# Allegro board SDHCalFEB.brd (continued)
## Routing (per net, layer and track width the routed paths; a pad name or vN(x,y) marks a point on that pad's centre or on a via; arc(x,y) is an arc through that point) (continued)
ESD_SIGNAL39_ASIC_B5: length 3.1
  TOP w0.127: U364.3 248.56,209.82 248.56,209.83 R456.2 C474.1
ESD_SIGNAL39_ASIC_B6: length 3.1
  TOP w0.127: U429.3 168.65,208.65 168.66,208.65 C561.1 R539.2
ESD_SIGNAL39_ASIC_B7: length 3.1
  TOP w0.127: R622.2 C648.1 90.72,214.67 90.73,214.68 U494.3
ESD_SIGNAL39_ASIC_C1: length 3.1
  TOP w0.127: U559.3 327.16,130.08 C735.1 327.15,128.61 R705.2
ESD_SIGNAL39_ASIC_C2: length 3.1
  TOP w0.127: R789.2 246.96,130.84 C822.1 246.96,133.86 U624.3
ESD_SIGNAL39_ASIC_C3: length 3.1
  TOP w0.127: R872.2 167.03,130.9 C909.1 167.03,132.38 U689.3
ESD_SIGNAL39_ASIC_C4: length 3.1
  TOP w0.127: R955.2 88.23,130.25 C996.1 89.71,128.71 U754.3
ESD_SIGNAL40_ASIC_A1: length 3.4
  TOP w0.127: C40.1 275.86,292.42 U40.3 275.86,291.81 R40.2
ESD_SIGNAL40_ASIC_A2: length 3.7
  TOP w0.127: 195.81,291.78 U105.3 ; 195.81,291.78 195.81,292.49 C127.1 ; 195.81,291.78 195.81,291.29 R124.2
ESD_SIGNAL40_ASIC_A3: length 3.5
  TOP w0.127: C214.1 116.03,293.34 115.16,292.48 U170.3 115.16,291.49 116.05,290.6 R207.2
ESD_SIGNAL40_ASIC_A4: length 3
  TOP w0.127: U235.3 25.07,280.42 C301.1 23.53,278.94 R290.2
ESD_SIGNAL40_ASIC_B1: length 3.4
  TOP w0.127: C388.1 276.25,212.95 U300.3 276.25,211.95 R373.2
ESD_SIGNAL40_ASIC_B5: length 3.3
  TOP w0.127: C475.1 196.72,213.42 195.91,212.61 U365.3 195.91,211.67 196.71,210.87 R457.2
ESD_SIGNAL40_ASIC_B6: length 3.3
  TOP w0.127: C562.1 117.07,213.62 116.23,212.78 U430.3 116.23,211.9 117.06,211.07 R540.2
ESD_SIGNAL40_ASIC_B7: length 3
  TOP w0.127: U495.3 24.11,197.66 C649.1 24.11,196.18 R623.2
ESD_SIGNAL40_ASIC_C1: length 3.2
  TOP w0.127: R706.2 276.38,131.73 U560.3 276.38,132.46 C736.1
ESD_SIGNAL40_ASIC_C2: length 3.2
  TOP w0.127: R790.2 196.01,131.43 U625.3 196.01,132.33 C823.1
ESD_SIGNAL40_ASIC_C3: length 3.3
  TOP w0.127: C910.1 116,132.69 U690.3 116,131.71 R873.2
ESD_SIGNAL40_ASIC_C4: length 3.1
  TOP w0.127: R956.2 24.48,118.28 C997.1 26.03,118.29 U755.3
ESD_SIGNAL40_ASIC_D1: length 3.2
  TOP w0.127: R1039.2 276.5,52.01 U820.3 276.5,52.9 C1084.1
ESD_SIGNAL40_ASIC_D2: length 3.2
  TOP w0.127: R1123.2 195.91,52.32 U885.3 195.91,53.18 C1171.1
ESD_SIGNAL40_ASIC_D3: length 3.2
  TOP w0.127: R1206.2 116.59,51.65 U950.3 116.59,52.55 C1258.1
ESD_SIGNAL41_ASIC_A1: length 3.1
  TOP w0.127: C41.1 262.05,285.74 262.04,285.75 R41.2 260.57,285.75 260.57,285.76 U41.3
ESD_SIGNAL41_ASIC_A2: length 3
  TOP w0.127: U106.3 179.64,285.83 R125.2 182.64,285.83 C128.1
ESD_SIGNAL41_ASIC_A3: length 3.3
  TOP w0.127: C215.1 104.13,285.2 104.11,285.19 R208.2 102.82,285.19 102.23,285.78 U171.3
ESD_SIGNAL41_ASIC_B1: length 3.1
  TOP w0.127: R374.2 C389.1 258.12,205.23 U301.3
ESD_SIGNAL41_ASIC_B5: length 3.1
  TOP w0.127: U366.3 180.62,206.17 R458.2 182.22,206.17 C476.1
ESD_SIGNAL41_ASIC_B6: length 3.1
  TOP w0.127: C563.1 103.67,206.18 R541.2 100.6,206.18 U431.3
ESD_SIGNAL41_ASIC_C1: length 3.1
  TOP w0.127: C737.1 263.69,126.17 R707.2 260.66,126.17 U561.3
ESD_SIGNAL41_ASIC_C2: length 3.1
  TOP w0.127: C824.1 182.21,126.16 R791.2 180.65,126.17 U626.3
ESD_SIGNAL41_ASIC_C3: length 3
  TOP w0.127: U691.3 100.69,126.15 R874.2 102.22,126.13 C911.1
ESD_SIGNAL41_ASIC_D1: length 3
  TOP w0.127: C1085.1 262.2,46.16 R1040.2 260.66,46.15 U821.3
ESD_SIGNAL41_ASIC_D2: length 3.1
  TOP w0.127: U886.3 182.21,46.16 R1124.2 183.71,46.15 C1172.1
ESD_SIGNAL41_ASIC_D3: length 3.1
  TOP w0.127: U951.3 102.2,46.16 R1207.2 103.7,46.15 C1259.1
ESD_SIGNAL42_ASIC_A1: length 3.1
  TOP w0.127: C42.1 263.6,281.48 263.61,281.47 R42.2 263.01,280.9 263,280.91 U42.3
ESD_SIGNAL42_ASIC_A2: length 3.2
  TOP w0.127: C129.1 183.58,280.86 183.59,280.85 R126.2 182.99,279.93 182.98,279.95 U107.3
ESD_SIGNAL42_ASIC_A3: length 3.1
  TOP w0.127: C216.1 100.24,278.52 R209.2 99.69,278.51 99.69,278.52 U172.3
ESD_SIGNAL42_ASIC_A4: length 3
  TOP w0.127: U237.3 29.56,277.4 R292.2 29.57,278.88 C303.1
ESD_SIGNAL42_ASIC_B1: length 3.1
  TOP w0.127: U302.3 264.16,200.71 R375.2 265.75,202.2 C390.1
ESD_SIGNAL42_ASIC_B5: length 3.1
  TOP w0.127: U367.3 181.69,199.32 C477.1 181.7,199.3 R459.2
ESD_SIGNAL42_ASIC_B6: length 3.1
  TOP w0.127: U432.3 101.52,199.32 C564.1 101.53,197.83 R542.2
ESD_SIGNAL42_ASIC_B7: length 3
  TOP w0.127: C651.1 30.27,196.23 R625.2 30.26,194.75 U497.3
ESD_SIGNAL42_ASIC_C1: length 3.1
  TOP w0.127: U562.3 259.9,119.38 C738.1 261.47,119.38 R708.2
ESD_SIGNAL42_ASIC_C2: length 3.1
  TOP w0.127: C825.1 181.09,119.29 R792.2 179.53,117.81 U627.3
ESD_SIGNAL42_ASIC_C3: length 3.1
  TOP w0.127: U692.3 99.8,119.2 C912.1 101.35,117.72 R875.2
ESD_SIGNAL42_ASIC_C4: length 3
  TOP w0.127: C999.1 29.8,115.28 R958.2 28.25,115.27 U757.3
ESD_SIGNAL43_ASIC_A1: length 3.1
  TOP w0.127: C43.1 263.09,276.19 263.08,276.18 R43.2 260.82,276.18 U43.3
ESD_SIGNAL43_ASIC_A2: length 3.1
  TOP w0.127: U108.3 183.08,274.69 183.1,274.7 R127.2 C130.1
ESD_SIGNAL43_ASIC_A3: length 3.1
  TOP w0.127: U173.3 103.73,274.65 R210.2 103.71,274.68 C217.1
ESD_SIGNAL43_ASIC_B1: length 5
  TOP w0.127: U303.3 262.19,196.19 R376.2 262.79,196.19 262.8,196.19 C391.1
ESD_SIGNAL43_ASIC_B5: length 3.1
  TOP w0.127: 184.78,193.72 184.78,193.73 C478.1 R460.2
ESD_SIGNAL43_ASIC_B6: length 3.1
  TOP w0.127: U433.3 104.8,193.75 C565.1 103.21,193.73 R543.2
ESD_SIGNAL43_ASIC_C1: length 3.1
  TOP w0.127: C739.1 263.19,113.72 R709.2 260.13,113.72 U563.3
ESD_SIGNAL43_ASIC_C2: length 3.1
  TOP w0.127: U628.3 184.73,113.72 C826.1 R793.2
ESD_SIGNAL43_ASIC_C3: length 3.1
  TOP w0.127: R876.2 C913.1 104.72,113.72 U693.3
ESD_SIGNAL44_ASIC_A1: length 3.1
  TOP w0.127: C44.1 268.9,282.07 268.91,282.06 R44.2 268.91,280.87 268.9,280.86 U44.3
ESD_SIGNAL44_ASIC_A2: length 3.1
  TOP w0.127: U109.3 188.86,280.73 188.87,280.72 R128.2 C131.1
ESD_SIGNAL44_ASIC_A3: length 3
  TOP w0.127: C218.1 R211.2 109.68,280.12 109.67,280.12 U174.3
ESD_SIGNAL44_ASIC_B1: length 3.1
  TOP w0.127: R377.2 C392.1 272.84,203.73 U304.3
ESD_SIGNAL44_ASIC_B5: length 3.1
  TOP w0.127: C479.1 R461.2 189.45,200.49 U369.3
ESD_SIGNAL44_ASIC_B6: length 3.1
  TOP w0.127: U434.3 108.12,200.73 R544.2 C566.1
ESD_SIGNAL44_ASIC_C1: length 3.1
  TOP w0.127: U564.3 268.16,120.72 R710.2 C740.1
ESD_SIGNAL44_ASIC_C2: length 3.1
  TOP w0.127: C827.1 R794.2 188.15,120.72 U629.3
ESD_SIGNAL44_ASIC_C3: length 3
  TOP w0.127: C914.1 R877.2 108.19,120.72 U694.3
ESD_SIGNAL44_ASIC_D1: length 3
  TOP w0.127: C1088.1 269.77,43.72 R1043.2 268.23,43.71 U824.3
ESD_SIGNAL44_ASIC_D2: length 3.1
  TOP w0.127: U889.3 189.78,43.72 R1127.2 191.28,43.71 C1175.1
ESD_SIGNAL44_ASIC_D3: length 3.1
  TOP w0.127: U954.3 109.77,43.72 R1210.2 111.27,43.71 C1262.1
ESD_SIGNAL45_ASIC_A1: length 3.1
  TOP w0.127: U45.3 273.06,275.8 273.06,275.8 R45.2 273.89,276.37 273.9,276.37 C45.1
ESD_SIGNAL45_ASIC_A2: length 3.4
  TOP w0.127: C132.1 195.24,277.94 195.22,277.93 R129.2 194.39,276.76 194.37,276.77 U110.3
ESD_SIGNAL45_ASIC_A3: length 3.2
  TOP w0.127: U175.3 113.82,275.34 113.83,275.34 R212.2 114.42,275.91 114.41,275.92 C219.1
ESD_SIGNAL45_ASIC_A4: length 3.3
  TOP w0.127: U240.3 34.04,278.49 R295.2 32.28,279.97 C306.1
ESD_SIGNAL45_ASIC_B1: length 3.1
  TOP w0.127: R378.2 273.55,199.96 C393.1 273.55,199.94 U305.3
ESD_SIGNAL45_ASIC_B5: length 3.1
  TOP w0.127: 194.25,196.24 R462.2 ; 194.25,196.24 194.24,196.25 C480.1 ; 194.25,196.24 U370.3
ESD_SIGNAL45_ASIC_B6: length 3.1
  TOP w0.127: U435.3 112.45,196.55 R545.2 114.02,196.56 C567.1
ESD_SIGNAL45_ASIC_B7: length 3
  TOP w0.127: C654.1 32.77,196.02 R628.2 34.31,196.01 U500.3
ESD_SIGNAL45_ASIC_C1: length 3.1
  TOP w0.127: U565.3 272.17,116.81 R711.2 273.74,116.83 C741.1
ESD_SIGNAL45_ASIC_C2: length 3.1
  TOP w0.127: U630.3 192.54,116.38 R795.2 194.09,116.4 C828.1
ESD_SIGNAL45_ASIC_C3: length 3
  TOP w0.127: U695.3 112.73,116.54 R878.2 114.28,116.55 C915.1
ESD_SIGNAL45_ASIC_C4: length 3.1
  TOP w0.127: U760.3 33.98,116.36 R961.2 32.44,116.37 C1002.1
ESD_SIGNAL46_ASIC_A1: length 3.1
  TOP w0.127: U46.3 273.98,270.59 273.98,270.6 R46.2 274.55,271.45 274.56,271.46 C46.1
ESD_SIGNAL46_ASIC_A2: length 6.7
  TOP w0.127: C133.1 196.94,273.19 195.22,271.48 R130.2 194.01,270.88 194.02,270.87 U111.3
ESD_SIGNAL46_ASIC_A3: length 3
  TOP w0.127: C220.1 115.33,270.74 115.33,270.74 R213.2 114.76,269.97 114.75,269.96 U176.3
ESD_SIGNAL46_ASIC_B1: length 3.1
  TOP w0.127: C394.1 269.72,193.73 R379.2 269.71,193.73 U306.3
ESD_SIGNAL46_ASIC_B5: length 3.1
  TOP w0.127: U371.3 193.95,191.44 R463.2 194.81,191.45 194.82,191.47 C481.1
ESD_SIGNAL46_ASIC_B6: length 3.1
  TOP w0.127: U436.3 113.97,189.89 R546.2 113.98,191.47 C568.1
ESD_SIGNAL46_ASIC_C1: length 3
  TOP w0.127: C742.1 274,111.46 R712.2 273.99,111.46 U566.3
ESD_SIGNAL46_ASIC_C2: length 3.1
  TOP w0.127: C829.1 195.45,111.46 R796.2 193.95,109.91 U631.3
ESD_SIGNAL46_ASIC_C3: length 3
  TOP w0.127: C916.1 113.96,111.48 R879.2 113.94,109.94 U696.3
ESD_SIGNAL47_ASIC_A1: length 3.1
  TOP w0.127: C47.1 R47.2 330.67,283.81 330.67,283.8 U47.3
ESD_SIGNAL47_ASIC_A2: length 3.5
  TOP w0.127: U112.3 252.01,286.78 251.41,286.18 C134.1 R131.2
ESD_SIGNAL47_ASIC_A3: length 3.1
  TOP w0.127: R214.2 C221.1 170.69,286.73 170.69,286.73 U177.3
ESD_SIGNAL47_ASIC_A4: length 3.1
  TOP w0.127: R297.2 89.79,284.68 89.78,284.7 C308.1 89.18,285.33 89.18,285.33 U242.3
ESD_SIGNAL47_ASIC_B1: length 3.1
  TOP w0.127: R380.2 C395.1 330.68,207.79 U307.3
ESD_SIGNAL47_ASIC_B5: length 3.4
  TOP w0.127: R464.2 252.2,203.24 C482.1 251.49,204.72 251.31,204.55 U372.3
ESD_SIGNAL47_ASIC_B6: length 3.2
  TOP w0.127: U437.3 174.65,205.34 C569.1 174.65,203.75 R547.2
ESD_SIGNAL47_ASIC_B7: length 3.1
  TOP w0.127: U502.3 93.1,205.23 C656.1 94.64,203.75 R630.2
ESD_SIGNAL47_ASIC_C1: length 3.1
  TOP w0.127: C743.1 R713.2 330.68,123.09 U567.3
ESD_SIGNAL47_ASIC_C2: length 3.1
  TOP w0.127: R797.2 252.2,123.23 C830.1 253.74,124.71 U632.3
ESD_SIGNAL47_ASIC_C3: length 3.1
  TOP w0.127: R880.2 174.63,123.74 C917.1 173.08,125.22 U697.3
ESD_SIGNAL47_ASIC_C4: length 3
  TOP w0.127: C1004.1 94.62,123.74 R963.2 93.12,123.72 U762.3
ESD_SIGNAL48_ASIC_A1: length 3.2
  TOP w0.127: U48.3 326.47,283.73 R48.2 324.73,285.2 C48.1
ESD_SIGNAL48_ASIC_A2: length 3.4
  TOP w0.127: C135.1 R132.2 244.46,283.97 244.81,284.32 ; U113.3 244.81,284.32 ; U113.3 244.81,284.32 ; U113.3 244.81,284.32
ESD_SIGNAL48_ASIC_A3: length 3.1
  TOP w0.127: U178.3 164.67,285.21 C222.1 164.67,283.72 R215.2
ESD_SIGNAL48_ASIC_A4: length 3.1
  TOP w0.127: U243.3 83.19,284.37 83.19,284.37 C309.1 84.07,283.73 84.09,283.72 R298.2
ESD_SIGNAL48_ASIC_B1: length 3.1
  TOP w0.127: C396.1 324.68,205.22 R381.2 324.68,203.73 U308.3
ESD_SIGNAL48_ASIC_B5: length 3.3
  TOP w0.127: R465.2 244.71,203.72 C483.1 243.82,205.21 243.43,205.59 U373.3
ESD_SIGNAL48_ASIC_B6: length 3.1
  TOP w0.127: C570.1 164.65,203.75 R548.2 166.24,203.73 U438.3
ESD_SIGNAL48_ASIC_B7: length 3.1
  TOP w0.127: R631.2 84.64,203.75 C657.1 84.64,205.23 U503.3
ESD_SIGNAL48_ASIC_C1: length 3.1
  TOP w0.127: C744.1 324.64,123.74 R714.2 326.21,123.72 U568.3
ESD_SIGNAL48_ASIC_C2: length 3.1
  TOP w0.127: U633.3 244.64,125.22 C831.1 244.63,123.74 R798.2
ESD_SIGNAL48_ASIC_C3: length 3.1
  TOP w0.127: U698.3 164.63,125.22 C918.1 164.62,123.74 R881.2
ESD_SIGNAL48_ASIC_C4: length 3.1
  TOP w0.127: U763.3 86.2,123.72 R964.2 84.64,123.74 C1005.1
ESD_SIGNAL49_ASIC_A1: length 3.1
  TOP w0.127: C49.1 R49.2 321.91,280.59 U49.3
ESD_SIGNAL49_ASIC_A2: length 3.2
  TOP w0.127: C136.1 239.89,280.67 239.9,280.66 R133.2 240.5,280.09 240.51,280.07 U114.3
ESD_SIGNAL49_ASIC_A3: length 3.1
  TOP w0.127: U179.3 161.59,280.62 R216.2 C223.1
ESD_SIGNAL49_ASIC_A4: length 3.1
  TOP w0.127: C310.1 R299.2 79.38,281.37 79.37,281.37 U244.3
ESD_SIGNAL49_ASIC_B1: length 3.1
  TOP w0.127: C397.1 321.19,202.22 R382.2 321.18,200.61 U309.3
ESD_SIGNAL49_ASIC_B5: length 3.4
  TOP w0.127: C484.1 R466.2 241.29,202.19 241.88,201.6 U374.3
ESD_SIGNAL49_ASIC_B6: length 3.1
  TOP w0.127: U439.3 160.02,203.69 C571.1 R549.2
ESD_SIGNAL49_ASIC_B7: length 3.4
  TOP w0.127: U504.3 81.68,201.63 81.12,202.19 R632.2 C658.1
ESD_SIGNAL49_ASIC_C1: length 3.1
  TOP w0.127: U569.3 321.11,120.65 R715.2 321.11,122.21 C745.1
ESD_SIGNAL49_ASIC_C2: length 3.1
  TOP w0.127: U634.3 240.21,120.63 R799.2 C832.1
ESD_SIGNAL49_ASIC_C3: length 3.1
  TOP w0.127: U699.3 160.83,120.65 R882.2 C919.1
ESD_SIGNAL49_ASIC_C4: length 3
  TOP w0.127: C1006.1 R965.2 80.95,120.68 U764.3
ESD_SIGNAL50_ASIC_A1: length 3.1
  TOP w0.127: C50.1 280.68,280.7 280.68,280.69 R50.2 279.9,279.75 279.89,279.74 U50.3
ESD_SIGNAL50_ASIC_A2: length 3.1
  TOP w0.127: U115.3 198.95,280.61 198.93,280.62 R134.2 C137.1
ESD_SIGNAL50_ASIC_A3: length 3
  TOP w0.127: C224.1 120.69,280.31 120.68,280.3 R217.2 120.1,279.7 120.1,279.71 U180.3
ESD_SIGNAL50_ASIC_A4: length 3.1
  TOP w0.127: R300.2 40.65,279.72 C311.1 39.04,281.2 U245.3
ESD_SIGNAL50_ASIC_B1: length 3.1
  TOP w0.127: U310.3 279.08,199.74 R383.2 280.67,199.74 C398.1
ESD_SIGNAL50_ASIC_B5: length 3.1
  TOP w0.127: 200.65,199.75 200.64,199.76 C485.1 ; 200.65,199.75 U375.3 ; 200.65,199.75 R467.2
ESD_SIGNAL50_ASIC_B6: length 3.1
  TOP w0.127: U440.3 120.66,199.75 R550.2 120.68,199.74 C572.1
ESD_SIGNAL50_ASIC_B7: length 3.1
  TOP w0.127: C659.1 40.67,199.74 R633.2 40.65,199.75 U505.3
ESD_SIGNAL50_ASIC_C1: length 3.1
  TOP w0.127: U570.3 279.16,119.75 R716.2 280.7,119.76 C746.1
ESD_SIGNAL50_ASIC_C2: length 3.1
  TOP w0.127: U635.3 199.15,119.75 R800.2 200.69,119.76 C833.1
ESD_SIGNAL50_ASIC_C3: length 3.1
  TOP w0.127: U700.3 119.14,119.75 R883.2 120.68,119.76 C920.1
ESD_SIGNAL50_ASIC_C4: length 3
  TOP w0.127: U765.3 39.15,119.75 R966.2 40.64,119.77 C1007.1
ESD_SIGNAL50_ASIC_D1: length 3.1
  TOP w0.127: C1094.1 280.67,39.77 R1049.2 279.13,39.77 U830.3
ESD_SIGNAL50_ASIC_D2: length 3.1
  TOP w0.127: U895.3 199.15,39.77 R1133.2 200.69,39.77 C1181.1
ESD_SIGNAL50_ASIC_D3: length 3
  TOP w0.127: C1268.1 120.65,39.79 R1216.2 119.16,39.77 U960.3
ESD_SIGNAL50_ASIC_D4: length 3.1
  TOP w0.127: C1355.1 40.67,39.77 R1299.2 39.13,39.77 U1025.3
ESD_SIGNAL51_ASIC_A1: length 3
  TOP w0.127: U51.3 263.71,266.23 C51.1 R51.2
ESD_SIGNAL51_ASIC_A2: length 3.2
  TOP w0.127: R135.2 C138.1 183.72,266.84 183.71,266.85 U116.3
ESD_SIGNAL51_ASIC_A3: length 3
  TOP w0.127: U181.3 103.74,266.8 103.73,266.79 C225.1 R218.2
ESD_SIGNAL51_ASIC_B1: length 3.1
  TOP w0.127: U311.3 263.73,186.21 C399.1 R384.2
ESD_SIGNAL51_ASIC_B5: length 3.1
  TOP w0.127: R468.2 C486.1 183.72,186.23 183.72,187.83
ESD_SIGNAL51_ASIC_B6: length 3.1
  TOP w0.127: U441.3 103.74,186.18 C573.1 R551.2
ESD_SIGNAL51_ASIC_C1: length 3.1
  TOP w0.127: R717.2 C747.1 263.73,107.74 U571.3
ESD_SIGNAL51_ASIC_C2: length 3.1
  TOP w0.127: R801.2 C834.1 183.72,106.12 U636.3
ESD_SIGNAL51_ASIC_C3: length 3
  TOP w0.127: R884.2 C921.1 103.74,106.12 U701.3
ESD_SIGNAL51_ASIC_D1: length 3
  TOP w0.127: C1095.1 280,32.85 R1050.2 278.51,34.39 U831.3
ESD_SIGNAL51_ASIC_D2: length 3
  TOP w0.127: C1182.1 200.06,32.77 R1134.2 198.58,32.78 U896.3
ESD_SIGNAL51_ASIC_D3: length 3
  TOP w0.127: U961.3 118.95,32.37 R1217.2 120.43,32.37 C1269.1
ESD_SIGNAL51_ASIC_D4: length 3
  TOP w0.127: U1026.3 38.66,32.55 R1300.2 40.14,32.55 C1356.1
ESD_SIGNAL52_ASIC_A1: length 3.1
  TOP w0.127: U52.3 272.25,261.57 R52.2 C52.1
ESD_SIGNAL52_ASIC_A2: length 3.4
  TOP w0.127: U117.3 193.56,262.69 193.03,263.22 R136.2 C139.1
ESD_SIGNAL52_ASIC_A3: length 3.1
  TOP w0.127: C226.1 R219.2 112.24,262.6 112.24,262.6 U182.3
ESD_SIGNAL52_ASIC_B1: length 3.1
  TOP w0.127: R385.2 C400.1 272.24,184.76 U312.3
ESD_SIGNAL52_ASIC_B5: length 3.1
  TOP w0.127: U377.3 192.25,181.56 R469.2 C487.1
ESD_SIGNAL52_ASIC_B6: length 3.1
  TOP w0.127: U442.3 112.24,181.59 R552.2 C574.1
ESD_SIGNAL52_ASIC_C1: length 3.1
  TOP w0.127: C748.1 R718.2 272.24,101.6 U572.3
ESD_SIGNAL52_ASIC_C2: length 3
  TOP w0.127: C835.1 R802.2 192.25,101.63 U637.3
ESD_SIGNAL52_ASIC_C3: length 3.1
  TOP w0.127: U702.3 108.23,103.73 R885.2 109.77,103.73 C922.1
ESD_SIGNAL52_ASIC_D1: length 3
  TOP w0.127: U832.3 281.4,30.22 C1096.1 279.92,30.22 R1051.2
ESD_SIGNAL52_ASIC_D2: length 3
  TOP w0.127: C1183.1 199.1,30.11 R1135.2 197.61,28.58 U897.3
ESD_SIGNAL52_ASIC_D3: length 3
  TOP w0.127: U962.3 117.63,28.2 R1218.2 119.11,29.73 C1270.1
ESD_SIGNAL52_ASIC_D4: length 3
  TOP w0.127: U1027.3 37.36,28.45 R1301.2 38.85,29.98 C1357.1
ESD_SIGNAL53_ASIC_A1: length 3.1
  TOP w0.127: C53.1 283.96,272.93 R53.2 283.96,269.87 U53.3
ESD_SIGNAL53_ASIC_A2: length 3.5
  TOP w0.127: U118.3 205.19,270.54 205.21,270.55 R137.2 205.21,272.99 C140.1
ESD_SIGNAL53_ASIC_A3: length 3
  TOP w0.127: U183.3 124.74,270.14 124.74,270.15 R220.2 124.74,271.34 124.75,271.35 C227.1
ESD_SIGNAL53_ASIC_A4: length 3.1
  TOP w0.127: C314.1 43.71,271.23 R303.2 43.71,268.13 U248.3
ESD_SIGNAL53_ASIC_B1: length 3.1
  TOP w0.127: U313.3 283.71,189.72 R386.2 283.72,189.73 C401.1
ESD_SIGNAL53_ASIC_B5: length 3.1
  TOP w0.127: U378.3 203.73,189.72 R470.2 203.73,191.21 C488.1
ESD_SIGNAL53_ASIC_B6: length 3.1
  TOP w0.127: C575.1 123.7,189.74 R553.2 123.72,188.14 U443.3
ESD_SIGNAL53_ASIC_B7: length 3.1
  TOP w0.127: U508.3 43.74,188.14 R636.2 43.74,189.73 C662.1
ESD_SIGNAL53_ASIC_C1: length 3.1
  TOP w0.127: C749.1 283.72,109.77 R719.2 283.71,109.76 U573.3
ESD_SIGNAL53_ASIC_C2: length 3
  TOP w0.127: C836.1 203.71,109.77 R803.2 203.7,109.76 U638.3
ESD_SIGNAL53_ASIC_C3: length 3.1
  TOP w0.127: C923.1 123.73,109.77 R886.2 123.72,108.21 U703.3
ESD_SIGNAL53_ASIC_C4: length 3
  TOP w0.127: U768.3 43.71,108.23 R969.2 43.72,109.77 C1010.1
ESD_SIGNAL53_ASIC_D1: length 3
  TOP w0.127: C1097.1 278.24,24.61 R1052.2 278.24,24.63 U833.3
ESD_SIGNAL53_ASIC_D2: length 3
  TOP w0.127: R1136.2 200.6,24.44 C1184.1 200.61,25.98 U898.3
ESD_SIGNAL53_ASIC_D3: length 3.1
  TOP w0.127: U963.3 120.53,23.57 C1271.1 120.51,23.58 R1219.2
ESD_SIGNAL53_ASIC_D4: length 3
  TOP w0.127: U1028.3 40.54,24.03 C1358.1 40.53,24.04 R1302.2
ESD_SIGNAL54_ASIC_A1: length 3.1
  TOP w0.127: U54.3 277.35,262.21 277.36,262.2 R54.2 278.19,262.8 278.19,262.8 C54.1
ESD_SIGNAL54_ASIC_A2: length 3.1
  TOP w0.127: U119.3 C141.1 R138.2
ESD_SIGNAL54_ASIC_A3: length 3.1
  TOP w0.127: R221.2 119.69,263.75 C228.1 U184.3
ESD_SIGNAL54_ASIC_A4: length 3.1
  TOP w0.127: C315.1 39.69,263.74 R304.2 39.67,265.32 U249.3
ESD_SIGNAL54_ASIC_B1: length 3.1
  TOP w0.127: U314.3 278.13,183.72 R387.2 279.73,183.71 C402.1
ESD_SIGNAL54_ASIC_B5: length 3.1
  TOP w0.127: C489.1 199.74,183.71 R471.2 198.2,183.72 U379.3
ESD_SIGNAL54_ASIC_B6: length 3.1
  TOP w0.127: C576.1 121.26,183.72 R554.2 119.75,183.72 U444.3
ESD_SIGNAL54_ASIC_B7: length 3.1
  TOP w0.127: C663.1 39.77,183.71 R637.2 39.76,183.73 U509.3
ESD_SIGNAL54_ASIC_C1: length 3.1
  TOP w0.127: C750.1 281.28,103.73 R720.2 279.77,103.74 U574.3
ESD_SIGNAL54_ASIC_C2: length 3.1
  TOP w0.127: C837.1 201.27,103.73 R804.2 198.23,103.73 U639.3
ESD_SIGNAL54_ASIC_C3: length 3.1
  TOP w0.127: U704.3 118.22,103.73 R887.2 119.76,103.73 C924.1
ESD_SIGNAL54_ASIC_C4: length 3.1
  TOP w0.127: C1011.1 41.27,103.73 R970.2 38.23,103.73 U769.3
ESD_SIGNAL54_ASIC_D1: length 3.1
  TOP w0.127: U834.3 281.25,20.7 C1098.1 279.77,22.25 R1053.2
ESD_SIGNAL54_ASIC_D2: length 3
  TOP w0.127: U899.3 199.06,20.15 R1137.2 200.55,21.68 C1185.1
ESD_SIGNAL54_ASIC_D3: length 3
  TOP w0.127: U964.3 119.05,19.43 R1220.2 120.54,20.96 C1272.1
ESD_SIGNAL54_ASIC_D4: length 3.1
  TOP w0.127: U1029.3 40.49,19.82 C1359.1 40.47,21.37 R1303.2
ESD_SIGNAL55_ASIC_A1: length 3.1
  TOP w0.127: C55.1 288.21,262.81 288.23,262.8 R55.2 288.23,262.2 U55.3
ESD_SIGNAL55_ASIC_A2: length 3.3
  TOP w0.127: C142.1 208.14,262.81 208.15,262.8 R139.2 207.19,262.2 207.18,262.22 U120.3
ESD_SIGNAL55_ASIC_A3: length 3.1
  TOP w0.127: C229.1 R222.2 128.19,262.21 U185.3
ESD_SIGNAL55_ASIC_A4: length 3.1
  TOP w0.127: U250.3 48.18,261.6 48.18,261.61 R305.2 48.18,263.69 C316.1
ESD_SIGNAL55_ASIC_B1: length 3.1
  TOP w0.127: C403.1 288.17,182.23 288.18,182.22 ; 288.18,182.22 R388.2 ; 288.18,182.22 U315.3
ESD_SIGNAL55_ASIC_B5: length 3.1
  TOP w0.127: U380.3 208.23,180.62 R472.2 208.23,183.7 C490.1
ESD_SIGNAL55_ASIC_B6: length 3.1
  TOP w0.127: C577.1 128.17,182.23 R555.2 128.19,182.21 U445.3
ESD_SIGNAL55_ASIC_B7: length 3.1
  TOP w0.127: U510.3 48.21,180.65 R638.2 48.21,182.22 C664.1
ESD_SIGNAL55_ASIC_C1: length 3.1
  TOP w0.127: U575.3 288.24,100.64 R721.2 288.24,103.66 C751.1
ESD_SIGNAL55_ASIC_C2: length 3.1
  TOP w0.127: U640.3 208.23,100.64 R805.2 208.23,102.2 C838.1
ESD_SIGNAL55_ASIC_C3: length 3.1
  TOP w0.127: C925.1 128.25,102.2 R888.2 128.24,100.66 U705.3
ESD_SIGNAL55_ASIC_C4: length 3.1
  TOP w0.127: U770.3 48.23,100.66 R971.2 48.24,102.21 C1012.1
ESD_SIGNAL55_ASIC_D1: length 3
  TOP w0.127: C1099.1 289.46,20.71 R1054.2 287.91,20.7 U835.3
ESD_SIGNAL55_ASIC_D2: length 3
  TOP w0.127: C1186.1 209.27,21.32 R1138.2 207.75,21.31 U900.3
ESD_SIGNAL55_ASIC_D3: length 3
  TOP w0.127: U965.3 127.66,19.71 R1221.2 129.21,19.72 C1273.1
ESD_SIGNAL55_ASIC_D4: length 3
  TOP w0.127: C1360.1 49.38,20.46 R1304.2 47.83,20.45 U1030.3
ESD_SIGNAL56_ASIC_A1: length 3.4
  TOP w0.127: C56.1 288.2,273.93 R56.2 288.2,270.59 U56.3
ESD_SIGNAL56_ASIC_A2: length 3.1
  TOP w0.127: C143.1 R140.2 210.72,268.78 210.73,268.77 U121.3
ESD_SIGNAL56_ASIC_A3: length 3.1
  TOP w0.127: C230.1 130.11,269.7 130.12,269.7 R223.2 130.71,268.85 130.7,268.85 U186.3
ESD_SIGNAL56_ASIC_A4: length 3.1
  TOP w0.127: C317.1 R306.2 50.72,268.08 U251.3
ESD_SIGNAL56_ASIC_B1: length 3.1
  TOP w0.127: U316.3 289.2,193.18 R389.2 289.2,194.69 C404.1
ESD_SIGNAL56_ASIC_B5: length 3.4
  TOP w0.127: C491.1 208.2,192.2 R473.2 208.2,192.19 U381.3
ESD_SIGNAL56_ASIC_B6: length 3.4
  TOP w0.127: C578.1 128.24,192.2 R556.2 128.24,190.61 U446.3
ESD_SIGNAL56_ASIC_B7: length 3.3
  TOP w0.127: C665.1 48.2,192.2 R639.2 48.21,192.19 48.21,190.63
ESD_SIGNAL56_ASIC_C1: length 3.2
  TOP w0.127: 288.25,113.86 288.25,112.19 R722.2 288.24,110.62 U576.3
ESD_SIGNAL56_ASIC_C2: length 3.3
  TOP w0.127: U641.3 208.23,110.65 R806.2 208.21,112.22 C839.1
ESD_SIGNAL56_ASIC_C3: length 3.3
  TOP w0.127: C926.1 128.25,112.22 R889.2 128.24,110.67 U706.3
ESD_SIGNAL56_ASIC_C4: length 3.3
  TOP w0.127: U771.3 48.23,112.2 R972.2 C1013.1
ESD_SIGNAL56_ASIC_D1: length 3.1
  TOP w0.127: C1100.1 291.88,20.74 R1055.2 291.89,20.72 U836.3
ESD_SIGNAL56_ASIC_D2: length 3
  TOP w0.127: U901.3 213.58,21.34 R1139.2 212.06,22.82 C1187.1
ESD_SIGNAL56_ASIC_D3: length 3
  TOP w0.127: U966.3 133.37,19.79 R1222.2 131.83,19.8 C1274.1
ESD_SIGNAL56_ASIC_D4: length 3
  TOP w0.127: U1031.3 53.26,20.45 R1305.2 51.74,20.46 C1361.1
ESD_SIGNAL57_ASIC_A1: length 3
  TOP w0.127: C57.1 R57.2 298.21,260.6 U57.3
ESD_SIGNAL57_ASIC_A2: length 3.1
  TOP w0.127: R141.2 218.15,262.19 C144.1 216.65,262.18 U122.3
ESD_SIGNAL57_ASIC_A3: length 3.1
  TOP w0.127: U187.3 C231.1 138.22,262.2 R224.2
ESD_SIGNAL57_ASIC_A4: length 3.1
  TOP w0.127: U252.3 58.22,260.61 R307.2 58.2,262.22 C318.1
ESD_SIGNAL57_ASIC_B1: length 3.1
  TOP w0.127: C405.1 296.74,182.21 R390.2 298.22,180.64 U317.3
ESD_SIGNAL57_ASIC_B5: length 3.1
  TOP w0.127: U382.3 218.24,180.62 R474.2 218.22,182.22 C492.1
ESD_SIGNAL57_ASIC_B6: length 3.1
  TOP w0.127: C579.1 136.74,182.21 R557.2 138.22,182.21 U447.3
ESD_SIGNAL57_ASIC_B7: length 3.1
  TOP w0.127: R640.2 56.76,182.21 C666.1 56.74,180.62 U512.3
ESD_SIGNAL57_ASIC_C1: length 3.1
  TOP w0.127: U577.3 296.75,100.64 C753.1 296.76,102.2 R723.2
ESD_SIGNAL57_ASIC_C2: length 3.1
  TOP w0.127: R807.2 216.72,102.21 C840.1 216.71,100.66 U642.3
ESD_SIGNAL57_ASIC_C3: length 3.1
  TOP w0.127: U707.3 136.75,100.66 C927.1 138.24,102.21 R890.2
ESD_SIGNAL57_ASIC_C4: length 3
  TOP w0.127: U772.3 58.24,100.66 R973.2 56.76,102.2 C1014.1
ESD_SIGNAL57_ASIC_D1: length 3
  TOP w0.127: C1101.1 304.48,18.32 R1056.2 304.5,16.79 U837.3
ESD_SIGNAL57_ASIC_D2: length 3
  TOP w0.127: C1188.1 224.29,18.93 R1140.2 224.31,17.4 U902.3
ESD_SIGNAL57_ASIC_D3: length 3.1
  TOP w0.127: R1223.2 141.92,18.56 C1275.1 141.91,17.02 U967.3
ESD_SIGNAL57_ASIC_D4: length 3
  TOP w0.127: U1032.3 62.92,17.07 R1306.2 61.43,18.61 C1362.1
ESD_SIGNAL58_ASIC_A1: length 3.1
  TOP w0.127: R58.2 308.2,262.19 ; 308.2,262.19 308.2,260.62 U58.3 ; 308.2,262.19 C58.1
ESD_SIGNAL58_ASIC_A2: length 3.1
  TOP w0.127: R142.2 227.33,262.2 227.32,262.22 C145.1 226.72,261.58 226.71,261.57 U123.3
ESD_SIGNAL58_ASIC_A3: length 3.1
  TOP w0.127: R225.2 147.37,262.2 147.35,262.22 C232.1 U188.3
ESD_SIGNAL58_ASIC_A4: length 3.1
  TOP w0.127: C319.1 67.32,262.22 67.34,262.2 R308.2 68.22,260.61 U253.3
ESD_SIGNAL58_ASIC_B1: length 3.1
  TOP w0.127: C406.1 306.72,182.21 R391.2 308.2,180.62 U318.3
ESD_SIGNAL58_ASIC_B5: length 3.1
  TOP w0.127: C493.1 226.73,182.21 R475.2 228.22,180.62 U383.3
ESD_SIGNAL58_ASIC_B6: length 3.1
  TOP w0.127: U448.3 148.23,180.62 R558.2 146.75,182.21 C580.1
ESD_SIGNAL58_ASIC_B7: length 3.1
  TOP w0.127: R641.2 66.76,182.21 C667.1 66.75,180.67 U513.3
ESD_SIGNAL58_ASIC_C1: length 3.1
  TOP w0.127: U578.3 306.76,100.66 C754.1 308.24,102.21 R724.2
ESD_SIGNAL58_ASIC_C2: length 3.1
  TOP w0.127: U643.3 226.72,100.66 C841.1 226.73,102.2 R808.2
ESD_SIGNAL58_ASIC_C3: length 3.1
  TOP w0.127: U708.3 146.74,100.66 C928.1 146.75,102.2 R891.2
ESD_SIGNAL58_ASIC_C4: length 3
  TOP w0.127: U773.3 68.22,100.66 R974.2 68.21,102.21 C1015.1
ESD_SIGNAL58_ASIC_D1: length 3.1
  TOP w0.127: U838.3 302.67,21.17 C1102.1 302.68,21.15 R1057.2
